# Altium PCB KEA once.PcbDoc (part 3 of 4)
Units mil, origin at the board's own origin, x right, y up, seen from the top; angles counter-clockwise.
Board outline 3229.26 x 1991.89 mil, 2 copper layers (Top Layer, Bottom Layer); 76 components, 82 nets, 488 pads, 56 vias.
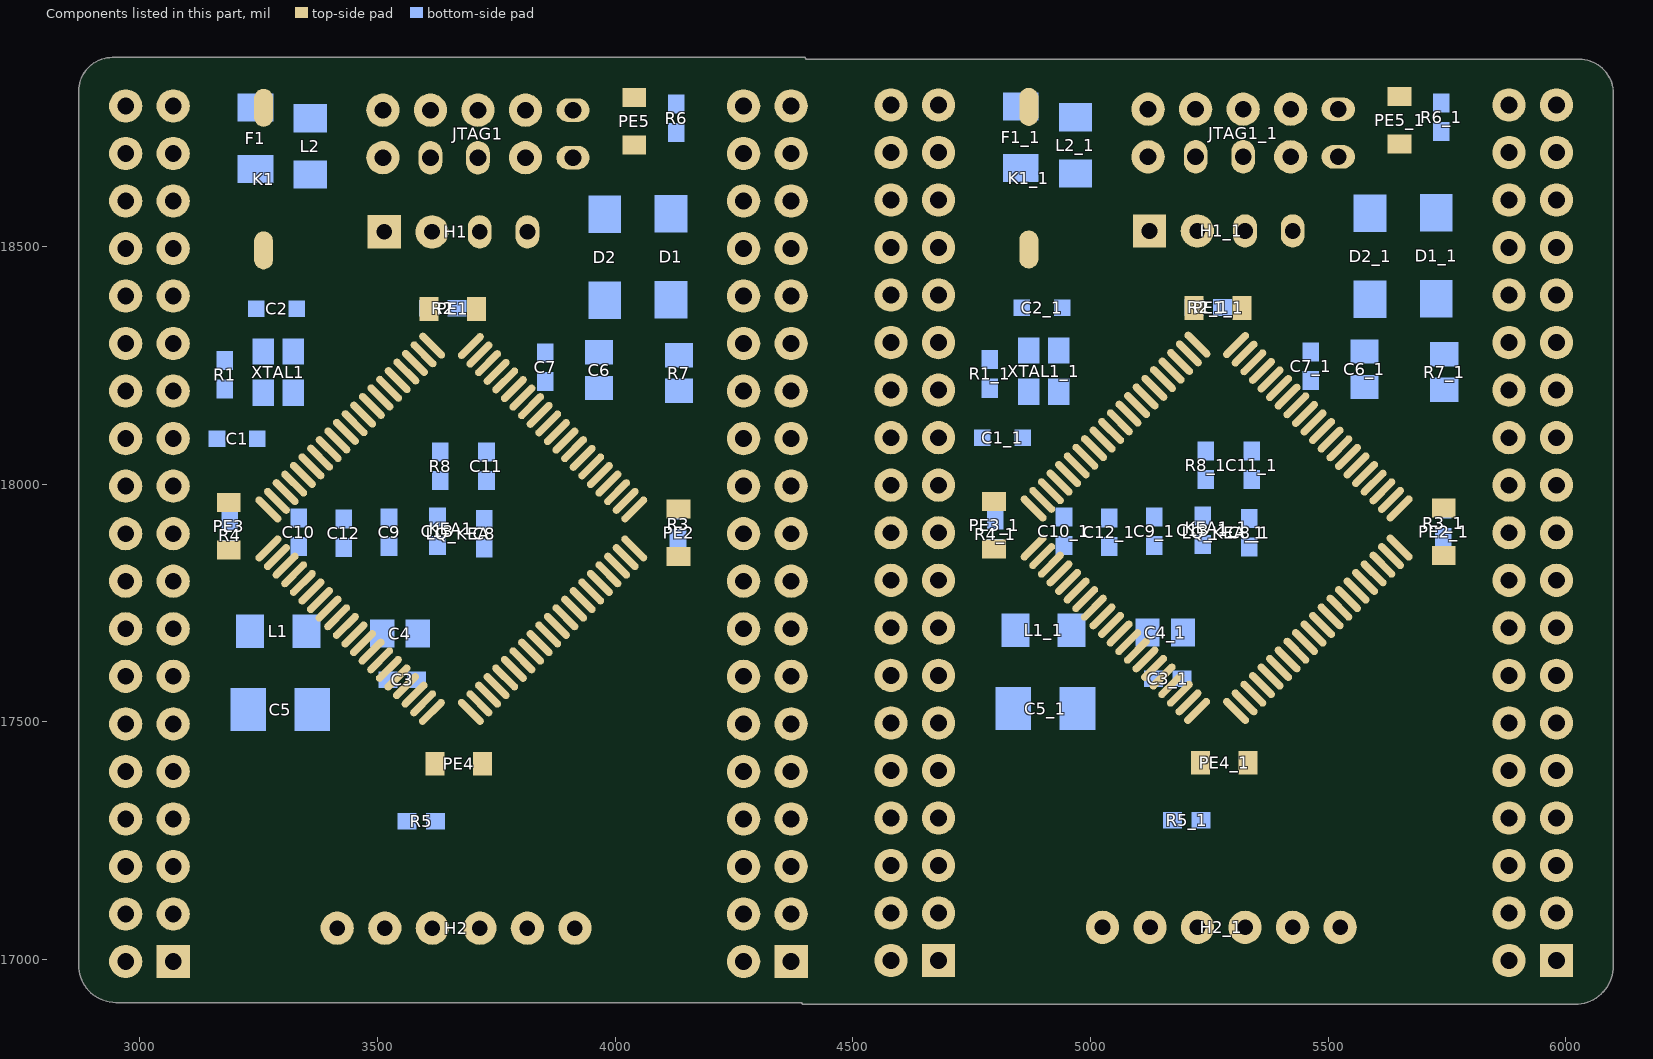
[diagram p3: the components of this part, seen from the top]

## Via types
v1: diameter 30, hole 15, Top Layer to Bottom Layer, 56 vias

## Nets (pads, with @x,y where several pads share a name; then routed paths per layer and width w, separated by ;. In a path a pad name is that pad's centre, name@x,y a point inside that pad or via, vN(x,y) a via of type N, cw(c..) or ccw(c..) an arc to the next point about the centre after c; other vN are vias at no path point) (continued)
copper on no net: | length 79198.8
  Top Layer w8: 4580,17098 4600.71,17118.71 cw(c4671.42,17048) 4671.42,17148 4735.01,17148 ccw(c4735.01,17248) 4805.72,17177.29 5187.75,17559.32 ; 4580,17198 4598.71,17216.71 cw(c4669.42,17146) 4669.42,17246 ccw(c4669.42,17566.19) 4895.83,17339.78 5151.56,17595.51 ; 4580,17298 4595.71,17313.71 cw(c4666.42,17243) 4666.42,17343 ccw(c4666.42,17729.86) 4939.98,17456.31 5115.37,17631.7 ; 4580,17398 4581.85,17399.85 cw(c4715,17266.69) 4715,17455 ccw(c4715,17820.23) 4973.26,17561.97 5079.18,17667.89 ; 4580,17498 4603.71,17521.71 cw(c4674.42,17451) 4674.42,17551 4777.84,17551 ccw(c4777.84,17821.55) 4969.15,17630.24 5042.98,17704.08 ; 4580,17598 4602.71,17620.71 cw(c4673.42,17550) 4673.42,17650 4875.1,17650 ccw(c4875.1,17750) 4945.81,17679.29 5006.79,17740.27 ; 4580,17698 4599.71,17717.71 cw(c4670.42,17647) 4670.42,17747 4942,17747 4970.6,17775.6 4970.6,17776.46 4953.97,17759.83 ; 4580,17798 4627,17845 ; 4580,17898 cw(c4626,17898) 4626,17944 4683,17944 cw(c4683,17890) 4737,17890 4737,17857 4783,17811 4860.38,17811 4898.22,17848.84 ; 4580,18598 cw(c4628,18598) 4628,18646 4751,18646 ; 4582.01,17820.91 ccw(c4585.62,17862.12) 4614.87,17832.87 ccw(c4644.12,17803.62) 4602.91,17800.01 ; 4582.71,17828.88 ccw(c4587.58,17884.42) 4627,17845 ; 4584.47,17520.56 ccw(c4590.94,17553.19) 4609.44,17525.54 ; 4584.62,17620.53 ccw(c4591.34,17653.37) 4609.81,17625.39 ; 4584.89,17120.47 ccw(c4592.18,17153.93) 4610.69,17125.12 ; 4584.89,18020.47 ccw(c4592.18,18053.93) 4610.69,18025.12 ; 4584.89,18120.47 ccw(c4592.18,18153.93) 4610.69,18125.12 ; 4584.89,18520.47 ccw(c4592.18,18553.93) 4610.69,18525.12 ; 4585.03,17720.44 ccw(c4592.63,17754.3) 4611.2,17724.99 ; 4585.11,17420.43 ccw(c4595.32,17465.28) 4621.6,17427.53 ; 4585.17,17220.41 ccw(c4593.09,17254.73) 4611.76,17224.87 ; 4585.31,18720.38 ccw(c4593.56,18755.21) 4612.36,18724.74 ; 4585.44,18420.35 ccw(c4594.06,18455.75) 4613,18424.62 ; 4585.57,17320.31 ccw(c4594.58,17356.35) 4613.69,17324.5 ; 4586.03,17528.41 ccw(c4596.25,17579.98) 4625.49,17536.28 ; 4586.22,17628.37 ccw(c4596.82,17680.13) 4625.93,17636.03 ; 4586.6,17128.29 ccw(c4598,17180.62) 4626.94,17135.56 ; 4586.6,18028.29 ccw(c4598,18080.62) 4626.94,18035.56 ; 4586.6,18128.29 ccw(c4598,18180.62) 4626.94,18135.56 ; 4586.6,18528.29 ccw(c4598,18580.62) 4626.94,18535.56 ; 4586.78,17728.25 ccw(c4598.6,17780.95) 4627.51,17735.33 ; 4586.88,17428.23 ccw(c4600.76,17489.16) 4636.46,17437.87 ccw(c4671.13,17388.09) 4610.82,17394.65 ; 4586.97,17228.21 ccw(c4599.23,17281.34) 4628.13,17235.1 ; 4587.15,18728.16 ccw(c4599.86,18781.79) 4628.8,18734.88 ; 4587.33,18428.12 ccw(c4600.52,18482.29) 4629.5,18434.66 ; 4587.51,17328.08 ccw(c4601.19,17382.85) 4630.25,17334.44 ; 4594.92,17296.44 cw(c4630.82,17292.68) 4612.24,17323.63 ; 4594.97,17096.98 cw(c4632.47,17094.43) 4612.15,17126.06 ; 4594.95,17196.77 cw(c4631.9,17193.73) 4612.25,17225.17 ; 4594.96,17696.88 cw(c4632.2,17694.09) 4612.21,17725.63 ; 4594.97,17996.98 cw(c4632.47,17994.43) 4612.15,18026.06 ; 4594.97,18096.98 cw(c4632.47,18094.43) 4612.15,18126.06 ; 4594.93,18396.55 cw(c4631.21,18393.03) 4612.26,18424.17 ; 4594.97,18496.98 cw(c4632.47,18494.43) 4612.15,18526.06 ; 4594.94,18696.66 cw(c4631.57,18693.38) 4612.27,18724.69 ; 4594.98,17497.28 cw(c4633.1,17495.46) 4611.88,17527.18 ; 4594.98,17597.19 cw(c4632.92,17595.12) 4611.99,17626.83 ; 4596.71,18414.71 cw(c4667.42,18344) 4667.42,18444 4716.58,18444 cw(c4716.58,18344) 4787.29,18414.71 4857.71,18344.29 ccw(c4928.42,18415) 4928.42,18315 4944.28,18315 cw(c4944.28,18215) 5014.99,18285.71 5115.88,18184.82 ; 4597.71,18715.71 cw(c4668.42,18645) 4668.42,18745 4731.9,18745 cw(c4731.9,18645) 4802.61,18715.71 5224.69,18293.63 ; 4600.71,18018.71 cw(c4671.42,17948) 4671.42,18048 4739.77,18048 cw(c4739.77,17948) 4810.48,18018.71 4880.13,17949.06 ; 4600.71,18118.71 cw(c4671.42,18048) 4671.42,18148 4712.31,18148 cw(c4712.31,18048) 4783.02,18118.71 4916.4,17985.33 ; 4600.71,18518.71 cw(c4671.42,18448) 4671.42,18548 ; 4602.87,17395.51 cw(c4647.96,17390.61) 4622.04,17427.83 ; 4602.92,17196.12 cw(c4651.72,17192.11) 4625.77,17233.62 ; 4602.88,17295.61 cw(c4650.77,17290.6) 4625.98,17331.88 ; 4602.89,18395.78 cw(c4651.11,18391.1) 4625.93,18432.49 ; 4602.91,18695.95 cw(c4651.43,18691.61) 4625.86,18733.07 ; 4602.95,17096.44 cw(c4652.23,17093.09) 4625.54,17134.66 ; 4602.97,17496.9 cw(c4652.83,17494.52) 4625.08,17536.01 ; 4602.97,17596.75 cw(c4652.66,17594.05) 4625.24,17635.58 ; 4602.94,17696.28 cw(c4651.99,17692.6) 4625.66,17734.15 ; 4602.95,17996.44 cw(c4652.23,17993.09) 4625.54,18034.66 ; 4602.95,18096.44 cw(c4652.23,18093.09) 4625.54,18134.66 ; 4602.95,18496.44 cw(c4652.23,18493.09) 4625.54,18534.66 ; 4610.83,17294.77 cw(c4670.71,17288.51) 4639.73,17340.13 ; 4610.86,18395.01 cw(c4671.01,18389.17) 4639.59,18440.8 ; 4610.9,17195.46 cw(c4671.54,17190.48) 4639.29,17242.08 ; 4610.91,17695.68 cw(c4671.78,17691.12) 4639.11,17742.68 ; 4610.88,17800.71 cw(c4666.42,17805.58) 4627,17845 ; 4610.88,18695.24 cw(c4671.28,18689.83) 4639.45,18741.45 ; 4610.93,17095.9 cw(c4672,17091.75) 4638.92,17143.25 ; 4610.96,17496.52 cw(c4672.57,17493.58) 4638.27,17544.84 ; 4610.95,17596.32 cw(c4672.4,17592.98) 4638.5,17644.33 ; 4610.93,17995.9 cw(c4672,17991.75) 4638.92,18043.25 ; 4610.93,18095.9 cw(c4672,18091.75) 4638.92,18143.25 ; 4610.93,18495.9 cw(c4672,18491.75) 4638.92,18543.25 ; 4672.58,18548 cw(c4672.58,18448) 4743.29,18518.71 4859.71,18402.29 ccw(c4930.42,18473) 4930.42,18373 4958.82,18373 cw(c4958.82,18273) 5029.53,18343.71 5152.15,18221.09 ; 4680,17198 ccw(c4680,17464.14) 4868.19,17275.95 5169.65,17577.41 ; 4680,17298 ccw(c4680,17630.81) 4915.34,17395.48 5133.46,17613.6 ; 4680,17398 ccw(c4680,17797.49) 4962.48,17515.01 5097.27,17649.8 ; 4680,17498 ccw(c4680,17964.17) 5009.63,17634.54 5061.08,17685.99 ; 4680,17698 4886.91,17698 ccw(c4886.91,17798) 4957.62,17727.29 4988.7,17758.37 ; 4680,17798 4689.32,17788.68 ccw(c4743.95,17843.3) 4743.95,17766.05 4924,17766.05 4952.51,17794.56 ; 4680,18098 4766.46,18098 4897.26,17967.2 ; 4680,18267 cw(c4680,18113.6) 4788.47,18222.07 ; 4680,18275 cw(c4680,18140.91) 4774.81,18235.73 ; 4680,18283 cw(c4680,18168.23) 4761.16,18249.38 ; 4680,18291 cw(c4680,18195.54) 4747.5,18263.04 ; 4680,18298 4702.61,18298 ; 4680,18299 cw(c4680,18222.85) 4733.84,18276.7 ; 4680,18307 cw(c4680,18250.17) 4720.19,18290.35 ; 4680,18567 cw(c4680,18451.12) 4761.94,18533.06 ; 4680,18575 cw(c4680,18478.43) 4748.28,18546.72 ; 4680,18583 cw(c4680,18505.75) 4734.63,18560.37 ; 4680,18591 cw(c4680,18533.06) 4720.97,18574.03 ; 4680,18698 4742.63,18698 ; 4681,17597 4680,17598 4769.69,17598 ccw(c4769.69,17914.31) 4993.36,17690.65 5024.89,17722.18 ; 4689.18,17776.91 cw(c4699.28,17753.72) 4711.93,17775.63 ; 4690.61,17587.39 cw(c4716.21,17561.79) 4716.21,17598 cw(c4716.21,17634.21) 4690.61,17608.61 ; 4690.61,17687.39 cw(c4716.21,17661.79) 4716.21,17698 cw(c4716.21,17734.21) 4690.61,17708.61 ; 4690.61,18087.39 cw(c4716.21,18061.79) 4716.21,18098 cw(c4716.21,18134.21) 4690.61,18108.61 ; 4692.38,17769.58 cw(c4707.15,17735.64) 4725.66,17767.7 cw(c4740.5,17793.39) 4710.91,17795.65 ; 4692.58,18498 cw(c4692.58,18398) 4763.29,18468.71 4853.71,18378.29 ccw(c4924.42,18449) 4924.42,18349 4946.55,18349 cw(c4946.55,18249) 5017.26,18319.71 5134.02,18202.95 ; 4696.26,17581.74 cw(c4735.53,17542.47) 4735.53,17598 cw(c4735.53,17653.53) 4696.26,17614.26 ; 4696.26,17681.74 cw(c4735.53,17642.47) 4735.53,17698 cw(c4735.53,17753.53) 4696.26,17714.26 ; 4696.26,18081.74 cw(c4735.53,18042.47) 4735.53,18098 cw(c4735.53,18153.53) 4696.26,18114.26 ; 4697.36,17213.09 ccw(c4720.2,17232.94) 4723.56,17202.86 ccw(c4726.92,17172.79) 4700.26,17187.11 ; 4697.7,17312.69 ccw(c4720.95,17331.99) 4723.64,17301.89 ccw(c4726.32,17271.78) 4700.02,17286.67 ; 4697.92,17412.42 ccw(c4721.45,17431.35) 4723.68,17401.24 ccw(c4725.91,17371.12) 4699.85,17386.38 ; 4698.07,17512.23 ccw(c4721.79,17530.9) 4723.7,17500.77 ccw(c4725.61,17470.64) 4699.72,17486.17 ; 4698.06,18483.76 cw(c4715.06,18470.37) 4720.09,18491.41 ; 4698.29,18684.05 cw(c4726.47,18662.56) 4726.47,18698 cw(c4726.47,18733.44) 4698.29,18711.95 ; 4701.51,18506.15 ccw(c4722.88,18514.24) 4717.56,18492.02 ; 4701.92,17576.08 cw(c4754.84,17523.16) 4754.84,17598 cw(c4754.84,17672.84) 4701.92,17619.92 ; 4701.92,17676.08 cw(c4754.84,17623.16) 4754.84,17698 cw(c4754.84,17772.84) 4701.92,17719.92 ; 4701.92,18076.08 cw(c4754.84,18023.16) 4754.84,18098 cw(c4754.84,18172.84) 4701.92,18119.92 ; 4702.61,18299.05 cw(c4702.61,18277.61) 4717.77,18292.77 4972.8,18037.74 ; 4702.93,17796.25 ccw(c4726.43,17794.46) 4714.65,17774.05 ; 4703.4,17218.34 ccw(c4734.18,17245.09) 4738.71,17204.56 ccw(c4743.24,17164.02) 4707.31,17183.33 ; 4703.86,17317.8 ccw(c4735.2,17343.81) 4738.81,17303.24 ccw(c4742.43,17262.67) 4706.98,17282.73 ; 4704.15,17417.44 ccw(c4735.86,17442.96) 4738.87,17402.36 ccw(c4741.88,17361.77) 4706.75,17382.34 ; 4704.36,17517.18 ccw(c4736.33,17542.34) 4738.9,17501.74 ccw(c4741.48,17461.13) 4706.59,17482.06 ; 4704.35,18478.81 cw(c4725.87,18461.85) 4732.25,18488.5 cw(c4739.97,18520.72) 4708.99,18508.98 ; 4704.65,18679.2 cw(c4742.63,18650.24) 4742.63,18698 ; 4704.65,18716.8 ccw(c4742.63,18745.76) 4742.63,18698 ; 4709.02,18585.98 4857.71,18437.29 ccw(c4928.42,18508) 4928.42,18408 4960.09,18408 cw(c4960.09,18308) 5030.8,18378.71 5170.29,18239.22 ; 4711,18598 ccw(c4744.8,18598) 4720.9,18574.1 ; v1@4743,18331 v1@4814,18331 ; 4752,18647 cw(c4751,18647) 4751,18646 ; v1@4757.78,18326.22 cw(c4769.31,18314.69) 4769.31,18331 ; v1@4757.78,18341.78 ccw(c4783.8,18367.8) 4783.8,18331 ; 4760,17918 4829.07,17918 ; 4790.2,18331 ccw(c4790.2,18367.8) v1@4816.22,18341.78 ; 4795.68,18646.68 4795.68,18646 ; v1@4797,17964 4811,17964 4866,17909 4932,17909 4943,17898 4943,17857.43 4916.32,17830.75 ; v1@4801,17961 cw(c4801,17929.62) 4823.19,17951.81 ; 4802,17948 cw(c4802,17887.64) 4844.68,17930.32 ; 4802,17956 cw(c4802,17914.96) 4831.02,17943.98 ; 4804.69,18331 cw(c4804.69,18314.69) v1@4816.22,18326.22 ; v1@4812,17972 ccw(c4833.73,17972) 4818.36,17956.64 ; 4818,17964 ccw(c4834.9,17964) 4822.95,17952.05 ; 4856.77,17968.55 ccw(c4847.41,17968.55) 4854.03,17975.16 ccw(c4860.64,17981.78) 4860.64,17972.42 ; 4870,18794 5017.64,18794 5119.73,18691.91 5121.83,18689.85 ; 4870.46,17994.01 ccw(c4878.78,18002.33) 4878.78,17990.56 ; 4874.86,17829.36 cw(c4865.51,17829.36) 4872.12,17822.74 cw(c4878.74,17816.13) 4878.74,17825.48 ; 4881.31,18782.69 cw(c4908.63,18755.37) 4908.63,18794 cw(c4908.63,18832.63) 4881.31,18805.31 ; 4885.86,17785 ccw(c4885.86,17822.23) 4912.19,17795.9 ; 4893.04,18004.82 ccw(c4883.68,18004.82) 4890.3,18011.43 ccw(c4896.91,18018.05) 4896.91,18008.69 ; 4905.18,17785 ccw(c4905.18,17802.92) 4917.84,17790.25 ; v1@4907,18132 cw(c4907,18113.14) 4920.33,18126.48 ; 4911.05,17793.16 cw(c4901.7,17793.16) 4908.31,17786.55 cw(c4914.93,17779.94) 4914.93,17789.29 ; v1@4915,18136 4915,18131.81 4988.94,18057.87 ; v1@4918,18143 ccw(c4952.26,18143) 4928.03,18118.78 ; 4929.15,17775.07 cw(c4919.8,17775.07) 4926.41,17768.46 cw(c4933.02,17761.84) 4933.02,17771.2 ; 4933.07,17852.97 ccw(c4909.08,17876.96) 4943,17876.96 ; 4934.41,17812.65 4906.76,17785 4761,17785 4701,17845 4627,17845 ; 4935.81,17854.11 ccw(c4935.81,17863.46) 4942.42,17856.85 ccw(c4949.03,17850.23) 4939.68,17850.23 ; 4938.72,17847.32 ccw(c4928.4,17857.64) 4943,17857.64 ; 4943.9,17748.9 ccw(c4935.82,17756.97) 4947.24,17756.97 ; 4945.97,17750.97 cw(c4951.12,17745.82) 4951.12,17753.1 ; 4947.44,18059.22 ccw(c4938.09,18059.22) 4944.7,18065.84 ccw(c4951.32,18072.45) 4951.32,18063.1 ; 4950,17988 4967,17971 5060,17971 5263,18174 5263,18471.21 5324.79,18533 ; 4952.67,18021.6 4984.27,17990 5030.77,17990 5235,18194.24 v1@5235,18203 ; 4954.02,17980.11 cw(c4954.02,17970.75) 4960.63,17977.37 cw(c4967.25,17983.98) 4957.89,17983.98 ; 4965.34,17738.88 cw(c4955.99,17738.88) 4962.6,17732.27 cw(c4969.21,17725.65) 4969.21,17735.01 ; 4965.58,18077.36 ccw(c4956.22,18077.36) 4962.84,18083.97 ccw(c4969.45,18090.59) 4969.45,18081.23 ; v1@4969,18260 cw(c4942.44,18260) 4961.22,18241.22 cw(c4980,18222.44) v1@4980,18249 ; 4972.16,17998.24 cw(c4972.16,17988.89) 4978.77,17995.5 cw(c4985.38,18002.12) 4976.03,18002.12 ; v1(4980,18260) 4944.08,18224.08 4944.08,18139 5007.07,18076.01 ; 4983.43,17720.78 cw(c4974.08,17720.78) 4980.69,17714.17 cw(c4987.31,17707.56) 4987.31,17716.91 ; 4983.71,18095.49 ccw(c4974.36,18095.49) 4980.97,18102.11 ccw(c4987.59,18108.72) 4987.59,18099.37 ; v1(4984,18151) 4984,18155 5036.89,18155 5061.48,18130.41 5079.61,18148.55 ; v1@4986.12,18148.88 cw(c5000.9,18134.1) 5000.9,18155 cw(c5000.9,18167.9) v1@4991.78,18158.78 ; v1@4991.78,18143.22 cw(c5020.21,18114.79) 5020.21,18155 ; 5001.53,17702.69 cw(c4992.18,17702.69) 4998.79,17696.08 cw(c5005.4,17689.46) 5005.4,17698.81 ; 5019.62,17684.59 cw(c5010.27,17684.59) 5016.88,17677.98 cw(c5023.5,17671.37) 5023.5,17680.72 ; 5020.33,18155 cw(c5020.33,18128.23) 5039.25,18147.16 ; 5037.72,17666.5 cw(c5028.37,17666.5) 5034.98,17659.89 cw(c5041.59,17653.27) 5041.59,17662.62 ; 5055.81,17648.4 cw(c5046.46,17648.4) 5053.07,17641.79 cw(c5059.69,17635.18) 5059.69,17644.53 ; 5061.48,18134.29 ccw(c5061.48,18143.64) 5068.09,18137.03 ccw(c5074.7,18130.41) 5065.35,18130.41 ; 5066.92,18744.72 cw(c5011.2,18689) 5090,18689 ; 5070.88,18740.76 ccw(c5121,18790.88) 5121,18720 ; 5073.91,17630.31 cw(c5064.56,17630.31) 5071.17,17623.69 cw(c5077.78,17617.08) 5077.78,17626.43 ; 5075.74,18148.55 cw(c5066.39,18148.55) 5073,18141.93 cw(c5079.61,18135.32) 5079.61,18144.67 ; 5080.58,18731.07 cw(c5038.51,18689) 5098,18689 ; 5084.54,18727.1 ccw(c5121,18763.56) 5121,18712 ; 5092,17612.21 cw(c5082.65,17612.21) 5089.27,17605.6 cw(c5095.88,17598.99) 5095.88,17608.34 ; 5092.52,18204.3 ccw(c5083.17,18204.3) 5089.78,18210.92 ccw(c5096.4,18217.53) 5096.4,18208.18 ; 5094.23,18717.41 cw(c5065.82,18689) 5106,18689 ; 5110.1,17594.12 cw(c5100.75,17594.12) 5107.36,17587.5 cw(c5113.97,17580.89) 5113.97,17590.24 ; 5110.66,18222.44 ccw(c5101.3,18222.44) 5107.92,18229.05 ccw(c5114.53,18235.67) 5114.53,18226.31 ; 5121,18658 cw(c5121,18579.09) 5176.8,18634.89 ; 5121,18666 cw(c5121,18606.4) 5163.14,18648.54 ; 5121,18674 cw(c5121,18633.71) 5149.49,18662.2 ; 5128.2,17576.02 cw(c5118.84,17576.02) 5125.46,17569.41 cw(c5132.07,17562.8) 5132.07,17572.15 ; 5128.79,18240.57 ccw(c5119.44,18240.57) 5126.05,18247.19 ccw(c5132.67,18253.8) 5132.67,18244.45 ; 5136,18676 5121.83,18689.85 ; 5144,18689 ccw(c5195.45,18689) 5159.07,18652.62 ; 5146.29,17557.93 cw(c5136.94,17557.93) 5143.55,17551.31 cw(c5150.16,17544.7) 5150.16,17554.05 ; 5146.93,18258.71 ccw(c5137.57,18258.71) 5144.19,18265.32 ccw(c5150.8,18271.94) 5150.8,18262.58 ; 5152,18689 ccw(c5222.77,18689) 5172.73,18638.96 ; 5164.39,17539.83 cw(c5155.03,17539.83) 5161.65,17533.22 cw(c5168.26,17526.61) 5168.26,17535.96 ; 5165.06,18276.85 ccw(c5155.71,18276.85) 5162.32,18283.46 ccw(c5168.94,18290.07) 5168.94,18280.72 ; 5182.48,17521.74 cw(c5173.13,17521.74) 5179.74,17515.12 cw(c5186.35,17508.51) 5186.35,17517.86 ; 5183.2,18294.98 ccw(c5173.84,18294.98) 5180.46,18301.59 ccw(c5187.07,18308.21) 5187.07,18298.85 ; 5188.42,18257.36 4799.78,18646 4795.68,18646 ; 5201.33,18313.12 ccw(c5191.98,18313.12) 5198.59,18319.73 ccw(c5205.21,18326.34) 5205.21,18316.99 ; 5206.56,18275.49 4813.34,18668.71 ccw(c4742.63,18598) 4742.63,18698 ; 5213.41,18172.64 cw(c5236,18150.05) v1@5236,18182 ; 5213.84,17549.22 5205.84,17541.22 5175,17510.38 5175,17042 5212,17005 5262,17005 5325,17068 ; 5218.8,18178.04 ccw(c5203.84,18193) v1@5225,18193 ; 5219.69,17397.69 cw(c5192.37,17370.37) 5231,17370.37 cw(c5269.63,17370.37) 5242.31,17397.69 ; v1@5223.22,17356.78 ccw(c5204.44,17375.56) 5231,17375.56 ccw(c5257.56,17375.56) v1@5238.78,17356.78 ; 5223.94,17519.25 cw(c5223.94,17509.9) 5230.55,17516.52 cw(c5237.16,17523.13) 5227.81,17523.13 ; 5223.94,17523.13 5277,17470.07 5277,17120 ; 5225,17068 5277,17120 ; 5225.19,17083 ccw(c5225.62,17117.7) 5250.16,17093.16 ccw(c5274.7,17068.62) 5240,17068.19 ; 5225.29,17091 ccw(c5225.95,17144.2) 5263.58,17106.58 ccw(c5301.2,17068.95) 5248,17068.29 ; 5225.39,17099 ccw(c5226.29,17170.71) 5277,17120 ; v1(5231,17349) 5231,17414 ; 5256,17068.39 cw(c5327.71,17069.29) 5277,17120 ; 5271.87,18480.08 cw(c5324.79,18427.16) 5324.79,18502 ; v1@5281.22,18210.78 ccw(c5262.44,18229.56) 5289,18229.56 ccw(c5315.56,18229.56) v1@5296.78,18210.78 ; 5285.52,18493.74 cw(c5324.79,18454.47) 5324.79,18510 ; v1(5289,18203) 5289,18239.62 5324.16,18274.78 ; 5294,17068 cw(c5219.16,17068) 5272.08,17015.08 cw(c5325,16962.16) 5325,17037 ; 5296.01,18504.22 ccw(c5277.23,18523) 5303.79,18523 ; 5299.18,18507.39 cw(c5324.79,18481.79) 5324.79,18518 ; 5300.8,18255.29 cw(c5291.44,18255.29) 5298.06,18248.68 cw(c5304.67,18242.06) 5304.67,18251.42 ; 5302,17068 cw(c5246.47,17068) 5285.74,17028.74 cw(c5325,16989.47) 5325,17045 ; 5306.06,17523.13 5425,17404.19 5425,17068 ; 5306.06,18292.87 5343.71,18330.52 ccw(c5273,18401.23) 5373,18401.23 v1(5373,18414) ; 5306.69,18387.31 ccw(c5279.37,18414.63) 5318,18414.63 ccw(c5356.63,18414.63) 5329.31,18387.31 ; 5310,17068 cw(c5273.79,17068) 5299.39,17042.39 cw(c5325,17016.79) 5325,17053 ; v1@5310.22,18423.22 cw(c5291.44,18404.44) 5318,18404.44 cw(c5344.56,18404.44) v1@5325.78,18423.22 ; 5318,18371 v1(5318,18431) ; 5319.69,17397.69 cw(c5292.37,17370.37) 5331,17370.37 cw(c5369.63,17370.37) 5342.31,17397.69 ; 5324.16,17541.22 5525,17340.38 5525,17068 ; 5325.55,17499.77 cw(c5325.55,17490.41) 5332.16,17497.03 cw(c5338.78,17503.64) 5329.42,17503.64 ; 5325.55,18316.23 ccw(c5325.55,18325.59) 5332.16,18318.97 ccw(c5338.78,18312.36) 5329.42,18312.36 ; 5331,17414 5331,17339 v1(5362.21,17307.79) ; 5342.25,17559.32 5826.28,17075.29 ccw(c5896.99,17146) 5896.99,17046 ccw(c5896.99,17120.86) 5949.93,17067.93 ; 5342.25,18256.68 5482.82,18397.25 ccw(c5463.06,18417) 5491,18417 5491,18599 ccw(c5442.72,18599) 5476.86,18633.14 5421,18689 ; 5343.64,17517.86 cw(c5343.64,17508.51) 5350.26,17515.12 cw(c5356.87,17521.74) 5347.52,17521.74 ; 5343.64,18298.14 ccw(c5343.64,18307.49) 5350.26,18300.88 ccw(c5356.87,18294.26) 5347.52,18294.26 ; 5344.71,18295.33 5324.16,18274.78 ; v1@5351.21,17307.79 ccw(c5324.66,17307.79) 5343.44,17326.56 ccw(c5362.21,17345.34) v1@5362.21,17318.79 ; 5360.35,17577.41 5839.76,17098 ; 5360.35,18238.59 5517.03,18395.27 cw(c5890.58,18021.73) 5890.58,18550 ccw(c5890.58,18650) 5961.29,18579.29 5980,18598 ; 5361.74,17535.96 cw(c5361.74,17526.6) 5368.35,17533.22 cw(c5374.97,17539.83) 5365.61,17539.83 ; 5361.74,18280.04 ccw(c5361.74,18289.4) 5368.35,18282.78 ccw(c5374.97,18276.17) 5365.61,18276.17 ; v1@5364.27,18407.31 cw(c5338.65,18387.68) 5370.65,18383.45 ; 5371.71,18391.46 cw(c5392.37,18388.73) v1@5379.69,18405.27 ; 5378.44,17595.51 5798.66,17175.29 ccw(c5869.37,17246) 5869.37,17146 5886.58,17146 ccw(c5886.58,17246) 5957.29,17175.29 5980,17198 ; 5378.44,18220.49 5497.53,18339.57 cw(c5880,17957.1) 5880,18498 ; 5379.84,17554.05 cw(c5379.84,17544.7) 5386.45,17551.31 cw(c5393.06,17557.93) 5383.71,17557.93 ; 5379.84,18261.95 ccw(c5379.84,18271.3) 5386.45,18264.69 ccw(c5393.06,18258.07) 5383.71,18258.07 ; 5396.54,17613.6 5782.85,17227.29 ccw(c5853.56,17298) 5853.56,17198 5880,17198 ; 5396.54,18202.4 5468.89,18274.74 cw(c5889.58,17854.05) 5889.58,18449 ccw(c5889.58,18549) 5960.29,18478.29 5980,18498 ; 5397.93,17572.15 cw(c5397.93,17562.79) 5404.54,17569.41 cw(c5411.16,17576.02) 5401.8,17576.02 ; 5397.93,18243.85 ccw(c5397.93,18253.21) 5404.54,18246.59 ccw(c5411.16,18239.98) 5401.8,18239.98 ; 5403.08,17089.92 ccw(c5350.16,17142.84) 5425,17142.84 ccw(c5499.84,17142.84) 5446.92,17089.92 ; 5408.74,17084.26 ccw(c5369.47,17123.53) 5425,17123.53 ccw(c5480.53,17123.53) 5441.26,17084.26 ; 5414.39,17078.61 ccw(c5388.79,17104.21) 5425,17104.21 ccw(c5461.21,17104.21) 5435.61,17078.61 ; 5414.63,17631.7 5770.04,17276.29 ccw(c5840.75,17347) 5840.75,17247 5887.58,17247 ccw(c5887.58,17347) 5958.29,17276.29 5980,17298 ; 5414.63,18184.3 5450.38,18220.04 cw(c5880,17790.42) 5880,18398 ; 5416.03,17590.24 cw(c5416.03,17580.89) 5422.64,17587.5 cw(c5429.25,17594.12) 5419.9,17594.12 ; 5416.03,18225.76 ccw(c5416.03,18235.11) 5422.64,18228.5 ccw(c5429.25,18221.88) 5419.9,18221.88 ; 5421,18658 cw(c5421,18583.16) 5473.92,18636.08 cw(c5526.84,18689) 5452,18689 ; 5421,18666 cw(c5421,18610.47) 5460.26,18649.74 cw(c5499.53,18689) 5444,18689 ; 5421,18674 cw(c5421,18637.79) 5446.61,18663.39 cw(c5472.21,18689) 5436,18689 ; 5434.12,17608.34 cw(c5434.12,17598.99) 5440.73,17605.6 cw(c5447.35,17612.21) 5437.99,17612.21 ; 5434.12,18207.66 ccw(c5434.12,18217.01) 5440.73,18210.4 ccw(c5447.35,18203.79) 5437.99,18203.79 ; 5450.82,18148.11 5474.9,18172.19 cw(c5778.64,17868.44) 5778.64,18298 5880,18298 ; 5452.51,18189.56 ccw(c5453.32,18200.47) 5460.46,18192.17 ; 5456.08,18185.4 cw(c5463.82,18184.82) 5458.76,18190.71 ; 5456.84,18189.06 cw(c5871.62,17727.31) 5871.62,18348 ccw(c5871.62,18488.94) 5971.28,18389.28 5980,18398 ; 5468.92,17685.98 5840.57,17314.33 ccw(c5880,17353.76) 5880,17298 ; 5468.92,18130.02 5492.4,18153.5 cw(c5727.79,17918.12) 5727.79,18251 5891.58,18251 ccw(c5891.58,18351) 5962.29,18280.29 5980,18298 ; 5470.43,18171.47 ccw(c5470.68,18180.16) 5476.65,18173.83 ; 5474.18,18167.48 cw(c5484.19,18167.19) 5477.32,18174.47 ; 5475,18487 cw(c5475,18489) 5473,18489 ; 5487.01,17704.08 5810.81,17380.29 ccw(c5881.52,17451) 5881.52,17351 5891.58,17351 ccw(c5891.58,17451) 5962.29,17380.29 5980,17398 ; 5488.41,17662.62 cw(c5488.41,17653.27) 5495.02,17659.88 cw(c5501.63,17666.5) 5492.28,17666.5 ; 5488.56,18153.37 ccw(c5488.9,18161.96) 5494.73,18155.65 ; 5492.28,18149.35 cw(c5502.38,18148.95) 5495.52,18156.38 ; 5503.08,17089.92 ccw(c5450.16,17142.84) 5525,17142.84 ccw(c5599.84,17142.84) 5546.92,17089.92 ; 5505.11,17722.18 5800,17427.29 ccw(c5870.71,17498) 5870.71,17398 5880,17398 ; 5506.5,17680.72 cw(c5506.5,17671.37) 5513.12,17677.98 cw(c5519.73,17684.59) 5510.38,17684.59 ; 5508.74,17084.26 ccw(c5469.47,17123.53) 5525,17123.53 ccw(c5580.53,17123.53) 5541.26,17084.26 ; 5514.39,17078.61 ccw(c5488.79,17104.21) 5525,17104.21 ccw(c5561.21,17104.21) 5535.61,17078.61 ; 5517.94,17777.85 ccw(c5508.59,17777.85) 5515.2,17784.47 ccw(c5521.81,17791.08) 5521.81,17781.73 ; v1@5521.53,17823.92 cw(c5505.77,17806.86) 5529,17806.86 ; 5523.2,17740.27 5761.37,17502.11 ccw(c5889.58,17630.31) 5889.58,17449 ccw(c5889.58,17549) 5960.29,17478.29 5980,17498 ; 5523.21,18075.73 5557.56,18110.09 cw(c5769.8,17897.84) 5769.8,18198 5880,18198 ; 5524.6,17698.81 cw(c5524.6,17689.46) 5531.21,17696.07 cw(c5537.82,17702.69) 5528.47,17702.69 ; v1(5529,17832) 5529,17806.86 ; 5536.03,17795.95 ccw(c5526.68,17795.95) 5533.29,17802.56 ccw(c5539.91,17809.17) 5539.91,17799.82 ; v1@5536.47,17823.92 ccw(c5552.23,17806.86) 5529,17806.86 ; 5541.3,17758.37 5496,17803.67 5496,17835 5569,17908 5659,17908 5717,17850 ; 5541.3,18057.63 5571.95,18088.29 cw(c5713.7,17946.54) 5713.7,18147 5887.58,18147 ccw(c5887.58,18247) 5958.29,18176.29 5980,18198 ; 5542.69,17716.91 cw(c5542.69,17707.56) 5549.31,17714.17 cw(c5555.92,17720.78) 5546.57,17720.78 ; 5542.69,18099.09 ccw(c5542.69,18108.44) 5549.31,18101.83 ccw(c5555.92,18095.22) 5546.57,18095.22 ; 5559.4,17776.46 5529,17806.86 ; 5559.4,18039.54 5589.89,18070.03 cw(c5626.03,18033.89) 5626.03,18085 5848.62,18085 ccw(c5848.62,18129.38) 5880,18098 ; 5560.79,18081 ccw(c5560.79,18090.35) 5567.4,18083.73 ccw(c5574.01,18077.12) 5564.66,18077.12 ; 5577.49,17794.56 5699.13,17672.92 ccw(c5880,17853.79) 5880,17598 ; 5578.88,18062.9 ccw(c5578.88,18072.25) 5585.5,18065.64 ccw(c5592.11,18059.03) 5582.76,18059.03 ; 5581.76,18025.71 5577.49,18021.44 ccw(c5577.49,18035.82) 5580.67,18021.8 ccw(c5577.49,18035.82) 5587.65,18025.65 5587.65,18033.65 5604,18050 ; 5594.06,18043.85 cw(c5608.91,18029) 5608.91,18050 ; 5595.59,17812.65 5688.43,17719.8 ccw(c5852.13,17883.5) 5852.13,17652 5892.58,17652 ccw(c5892.58,17752) 5963.29,17681.29 5980,17698 ; 5595.59,18003.35 ccw(c5595.59,18012.43) 5602.01,18006.01 5630,18034 5793.09,18034 cw(c5793.09,17911.09) 5880,17998 ; 5596.98,17771.19 cw(c5596.98,17761.84) 5603.59,17768.46 cw(c5610.2,17775.07) 5600.85,17775.07 ; 5599.72,18038.19 cw(c5628.22,18009.68) 5628.22,18050 ; 5600.84,18041.28 cw(c5611.74,18042.26) 5604,18050 ; 5613.68,17830.75 5651.98,17792.45 ccw(c5880,18020.47) 5880,17698 ; 5613.68,17985.25 5641.19,18012.77 cw(c5649,18004.96) 5649,18016 5747.58,18016 cw(c5747.58,17916) 5818.29,17986.71 5828.71,17976.29 ccw(c5899.42,18047) 5899.42,17947 ccw(c5899.42,18018.41) 5949.92,17967.92 ; 5615.07,17789.29 cw(c5615.07,17779.94) 5621.69,17786.55 cw(c5628.3,17793.16) 5618.95,17793.16 ; 5615.07,18026.71 ccw(c5615.07,18045.15) 5628.11,18032.11 ; 5631.78,17848.84 5663.01,17817.61 ccw(c5823.82,17978.41) 5823.82,17751 5891.58,17751 ccw(c5891.58,17851) 5961.9,17779.9 ccw(c5891.58,17851) 5962.29,17780.29 5980,17798 ; 5631.78,17967.16 5660.11,17995.49 cw(c5671,17984.59) 5671,18000 cw(c5671,17741.68) 5853.66,17924.34 ; 5633.17,17807.39 cw(c5633.17,17798.03) 5639.78,17804.65 cw(c5646.39,17811.26) 5637.04,17811.26 ; 5633.17,18008.61 ccw(c5633.17,18017.97) 5639.78,18011.35 ccw(c5646.4,18004.74) 5637.04,18004.74 ; 5649.87,17866.94 5663.89,17852.91 ccw(c5796.47,17985.48) 5796.47,17798 5880,17798 ; 5649.87,17945.19 cw(c5649.87,17935.84) 5656.48,17942.45 cw(c5663.1,17949.06) 5653.75,17949.06 ; 5649.87,17949.06 5661.05,17937.88 ccw(c5764.58,18041.41) 5764.58,17895 cw(c5764.58,17795) 5835.29,17865.71 ccw(c5880.46,17910.88) 5880.46,17847 5887.58,17847 ccw(c5887.58,17947) 5958.29,17876.29 5980,17898 ; 5651.26,17825.48 cw(c5651.26,17816.13) 5657.88,17822.74 cw(c5664.49,17829.35) 5655.14,17829.35 ; 5651.26,17990.52 ccw(c5651.26,17999.87) 5657.88,17993.26 ccw(c5664.49,17986.65) 5655.14,17986.65 ; 5669.77,17843.6 cw(c5671.05,17831.53) 5678.68,17840.97 ; 5674.84,17892.16 ccw(c5738,17955.33) 5738,17866 ; 5688.49,17878.51 ccw(c5738,17928.01) 5738,17858 ; 5702.15,17864.85 ccw(c5738,17900.7) 5738,17850 ; 5715.81,17851.19 ccw(c5738,17873.39) 5738,17842 ; 5722.57,17845.75 ccw(c5717,17844.22) 5717,17850 ; 5722.57,17854.25 cw(c5717,17855.78) 5717,17850 ; 5743,17850 5717,17850 ; 5773.77,18085 ccw(c5773.77,18204.23) 5858.08,18119.92 ; 5793.09,18085 ccw(c5793.09,18184.91) 5863.74,18114.26 ; 5812.4,18085 ccw(c5812.4,18165.6) 5869.39,18108.61 ; 5826.24,17948.18 cw(c5782.81,17898.23) 5849,17898.07 ; 5829.95,17944.96 ccw(c5873.25,17994.75) 5877.84,17928.92 ; 5831.72,18085 ccw(c5831.72,18146.28) 5875.05,18102.95 ; 5836.54,18085 cw(c5836.54,18054.54) 5858.08,18076.08 ; 5839.15,17406.13 ccw(c5845.1,17429.19) 5862.85,17413.32 ; 5839.45,17936.7 cw(c5805.96,17898.18) 5857,17898.06 ; 5841.21,17405.6 cw(c5834.98,17381.41) 5858.42,17390.05 ; 5844.22,17199.54 ccw(c5846.47,17213.15) 5859.04,17207.47 ; 5844.52,17932.28 ccw(c5875.15,17967.5) 5878.4,17920.94 ; 5849.31,17993.66 ccw(c5800.01,17986.7) 5824.9,18029.81 ccw(c5849.79,18072.93) 5868.41,18026.75 ; 5850.03,17090.09 ccw(c5839.76,17087.39) 5839.76,17098 ; 5850.03,17105.91 cw(c5839.76,17108.61) 5839.76,17098 ; 5850.91,17387.28 ccw(c5817.56,17374.99) 5826.43,17409.41 ccw(c5834.07,17439.04) 5856.88,17418.66 ; 5850.93,17187.23 ccw(c5830.38,17179.61) 5833.95,17201.24 ccw(c5836.65,17217.59) 5851.75,17210.77 ; 5852.63,17583.45 ccw(c5816.6,17564.3) 5821.32,17604.82 ccw(c5826.03,17645.35) 5856.7,17618.44 ; 5852.66,17925.21 cw(c5829.1,17898.12) 5865,17898.04 ; 5852.98,17682.81 ccw(c5817.47,17662.84) 5821.2,17703.41 ccw(c5824.93,17743.97) 5856.2,17717.87 ; 5853.55,18514.17 cw(c5818.85,18535.4) 5821.07,18494.78 cw(c5823.29,18454.16) 5855.47,18479.04 ; 5853.65,18414.33 cw(c5819.08,18435.76) 5821.06,18395.13 cw(c5823.03,18354.51) 5855.36,18379.19 ; 5854.46,17915.58 ccw(c5848.8,17919.47) 5853.66,17924.34 ; 5854.51,17915.64 ccw(c5848.96,17919.48) 5853.39,17924.58 ccw(c5858.63,17930.6) 5863,17923.93 ; 5857.23,17994.78 ccw(c5820.65,17989.61) 5839.12,18021.6 ccw(c5857.59,18053.59) 5871.4,18019.33 ; 5858.08,17776.08 ccw(c5805.16,17723.16) 5805.16,17798 ccw(c5805.16,17872.84) 5858.08,17819.92 ; 5858.08,18176.08 ccw(c5805.16,18123.16) 5805.16,18198 ccw(c5805.16,18272.84) 5858.08,18219.92 ; 5858.08,18276.08 ccw(c5805.16,18223.16) 5805.16,18298 ccw(c5805.16,18372.84) 5858.08,18319.92 ; 5859.69,17587.2 ccw(c5832.96,17573) 5836.46,17603.06 ccw(c5839.96,17633.13) 5862.71,17613.17 ; 5859.95,17686.73 ccw(c5833.61,17671.91) 5836.37,17702.01 ccw(c5839.14,17732.11) 5862.34,17712.74 ; 5860.38,18510 cw(c5834.63,18525.75) 5836.28,18495.61 cw(c5837.93,18465.48) 5861.8,18483.93 ; 5860.45,18410.12 cw(c5834.8,18426.01) 5836.27,18395.87 cw(c5837.73,18365.74) 5861.72,18384.04 ; 5862.42,17923.54 cw(c5858.53,17929.2) 5853.66,17924.34 ; 5863.74,17781.74 ccw(c5824.47,17742.47) 5824.47,17798 ccw(c5824.47,17853.53) 5863.74,17814.26 ; 5863.74,18181.74 ccw(c5824.47,18142.47) 5824.47,18198 ccw(c5824.47,18253.53) 5863.74,18214.26 ; 5863.74,18281.74 ccw(c5824.47,18242.47) 5824.47,18298 ccw(c5824.47,18353.53) 5863.74,18314.26 ; 5869.39,17787.39 ccw(c5843.79,17761.79) 5843.79,17798 ccw(c5843.79,17834.21) 5869.39,17808.61 ; 5869.39,18187.39 ccw(c5843.79,18161.79) 5843.79,18198 ccw(c5843.79,18234.21) 5869.39,18208.61 ; 5869.39,18287.39 ccw(c5843.79,18261.79) 5843.79,18298 ccw(c5843.79,18334.21) 5869.39,18308.61 ; 5880,17098 5839.76,17098 ; 5880,17898 5853.66,17924.34 ; 5920.41,17655.2 ccw(c5888.99,17706.83) 5949.14,17700.99 ; 5920.44,17754.49 ccw(c5888.78,17806.14) 5949.12,17800.75 ; 5920.55,17354.55 ccw(c5888.72,17406.17) 5949.12,17400.76 ; 5920.55,18254.55 ccw(c5888.72,18306.17) 5949.12,18300.76 ; 5920.71,18553.92 ccw(c5888.46,18605.52) 5949.1,18600.54 ; 5920.89,17453.32 ccw(c5888.22,17504.88) 5949.09,17500.32 ; 5920.89,18453.32 ccw(c5888.22,18504.88) 5949.09,18500.32 ; 5921.28,17252.2 ccw(c5887.79,17303.63) 5949.06,17299.89 ; 5921.28,17852.2 ccw(c5887.79,17903.63) 5949.06,17899.89 ; 5921.28,18152.2 ccw(c5887.79,18203.63) 5949.06,18199.89 ; 5921.5,17151.67 ccw(c5887.6,17203.02) 5949.05,17199.68 ; 5922.33,18357.2 ccw(c5889.38,18407.48) 5949.17,18401.22 ; 5923.86,18358.2 cw(c5960.18,18302.78) 5973.68,18367.65 ; 5930.5,17661.34 cw(c5959.48,17613.71) 5972.67,17667.88 ; 5931.2,17361.12 cw(c5960.14,17314.21) 5972.85,17367.84 ; 5931.2,18261.12 cw(c5960.14,18214.21) 5972.85,18267.84 ; 5931.6,17761.33 cw(c5960.06,17714.9) 5972.77,17767.86 ; 5931.87,18560.9 cw(c5960.77,18514.66) 5973.03,18567.79 ; 5932.49,17460.67 cw(c5961.4,17415.05) 5973.22,17467.75 ; 5932.49,18460.67 cw(c5961.4,18415.05) 5973.22,18467.75 ; 5933.59,17260.21 cw(c5962.6,17215.65) 5973.59,17267.67 ; 5933.59,17860.21 cw(c5962.6,17815.65) 5973.59,17867.67 ; 5933.59,18160.21 cw(c5962.6,18115.65) 5973.59,18167.67 ; 5934,17762.8 ccw(c5908.52,17804.38) 5957.09,17800.04 ; 5934.07,17159.97 cw(c5963.18,17115.87) 5973.78,17167.63 ; 5934.07,17663.51 ccw(c5908.89,17704.9) 5957.11,17700.22 ; 5934.14,17362.93 ccw(c5908.57,17404.39) 5957.09,17400.05 ; 5934.14,18262.93 ccw(c5908.57,18304.39) 5957.09,18300.05 ; 5934.23,18562.38 ccw(c5908.28,18603.89) 5957.08,18599.88 ; 5934.34,17461.85 ccw(c5908.01,17503.4) 5957.06,17499.72 ; 5934.34,18461.85 ccw(c5908.01,18503.4) 5957.06,18499.72 ; 5934.6,17260.87 ccw(c5907.54,17302.43) 5957.04,17299.4 ; 5934.6,17860.87 ccw(c5907.54,17902.43) 5957.04,17899.4 ; 5934.6,18160.87 ccw(c5907.54,18202.43) 5957.04,18199.4 ; 5934.76,17160.42 ccw(c5907.34,17201.95) 5957.03,17199.25 ; 5936.43,18366.44 ccw(c5911.01,18405.21) 5957.12,18400.39 ; 5940.01,18368.78 cw(c5965.75,18329.52) 5975.31,18375.48 ; 5947,17671.38 cw(c5965.94,17640.25) 5974.56,17675.65 ; 5947.57,17771.12 ccw(c5928.26,17802.62) 5965.06,17799.33 ; 5947.64,17371.26 cw(c5966.44,17340.79) 5974.69,17375.62 ; 5947.64,18271.26 cw(c5966.44,18240.79) 5974.69,18275.62 ; 5947.73,17371.31 ccw(c5928.43,17402.62) 5965.06,17399.34 ; 5947.74,17671.83 ccw(c5928.79,17702.97) 5965.07,17699.45 ; 5947.73,18271.31 ccw(c5928.43,18302.62) 5965.06,18299.34 ; 5947.75,18570.83 ccw(c5928.1,18602.27) 5965.05,18599.23 ; 5947.79,17470.37 ccw(c5927.8,17501.91) 5965.04,17499.12 ; 5947.79,18470.37 ccw(c5927.8,18501.91) 5965.04,18499.12 ; 5947.92,17269.54 ccw(c5927.29,17301.22) 5965.03,17298.91 ; 5947.92,17869.54 ccw(c5927.29,17901.22) 5965.03,17898.91 ; 5947.92,18169.54 ccw(c5927.29,18201.22) 5965.03,18198.91 ; 5948.01,17169.17 ccw(c5927.08,17200.88) 5965.02,17198.81 ; 5948.07,17771.42 cw(c5966.44,17741.46) 5974.63,17775.63 ; 5948.24,18571.13 cw(c5966.91,18541.27) 5974.83,18575.59 ; 5948.8,17471.01 cw(c5967.37,17441.7) 5974.97,17475.56 ; 5948.8,18471.01 cw(c5967.37,18441.7) 5974.97,18475.56 ; 5949.77,17270.75 cw(c5968.24,17242.38) 5975.24,17275.5 ; 5949.77,17870.75 cw(c5968.24,17842.38) 5975.24,17875.5 ; 5949.77,18170.75 cw(c5968.24,18142.38) 5975.24,18175.5 ; 5950.19,17170.61 cw(c5968.66,17142.63) 5975.38,17175.47 ; 5950.52,18375.67 ccw(c5932.64,18402.95) 5965.08,18399.56 ; 5952.42,17083.84 cw(c5940.26,17077.6) 5949.93,17067.93 ; 5952.42,17983.85 cw(c5940.23,17977.6) 5949.92,17967.92 ; 5954.49,18080.39 cw(c5936.1,18067.7) 5951.9,18051.9 ; 5957.81,18057.81 cw(c5980,18035.62) 5980,18067 ; 5958.69,18058.69 ccw(c5944.14,18073.24) 5961.07,18084.93 ; 5965.48,18065.48 ccw(c5952.17,18078.78) 5967.66,18089.48 ; 5965.84,17070.42 ccw(c5959.6,17058.26) 5949.93,17067.93 ; 5965.85,17970.42 ccw(c5959.6,17958.23) 5949.92,17967.92 ; 5980,17098 5949.93,17067.93 ; 5980,17998 5949.92,17967.92 ; 5987,18087 5951.9,18051.9 ; 4751,18646 4795.68,18646 ; 5121.83,18689.85 5224.69,18587 5422,18587 cw(c5422,18536) 5473,18536 5473,18489 ; 5324.16,18274.78 5405.92,18356.54 5473,18423.62 5473,18489 ; 5604,18050 5947.31,18050 ccw(c5947.31,18056.49) 5951.9,18051.9